# Altium PCB Giro_scope_2.0.PcbDoc (part 2 of 3)
Units mm, origin at the board's own origin, x right, y up, seen from the top; angles counter-clockwise.
Board outline 210.95 x 111.04 mm, 2 copper layers (Top Layer, Bottom Layer); 287 components, 128 nets, 1216 pads, 138 vias.
Unrouted connection lines stored in the file: 33.
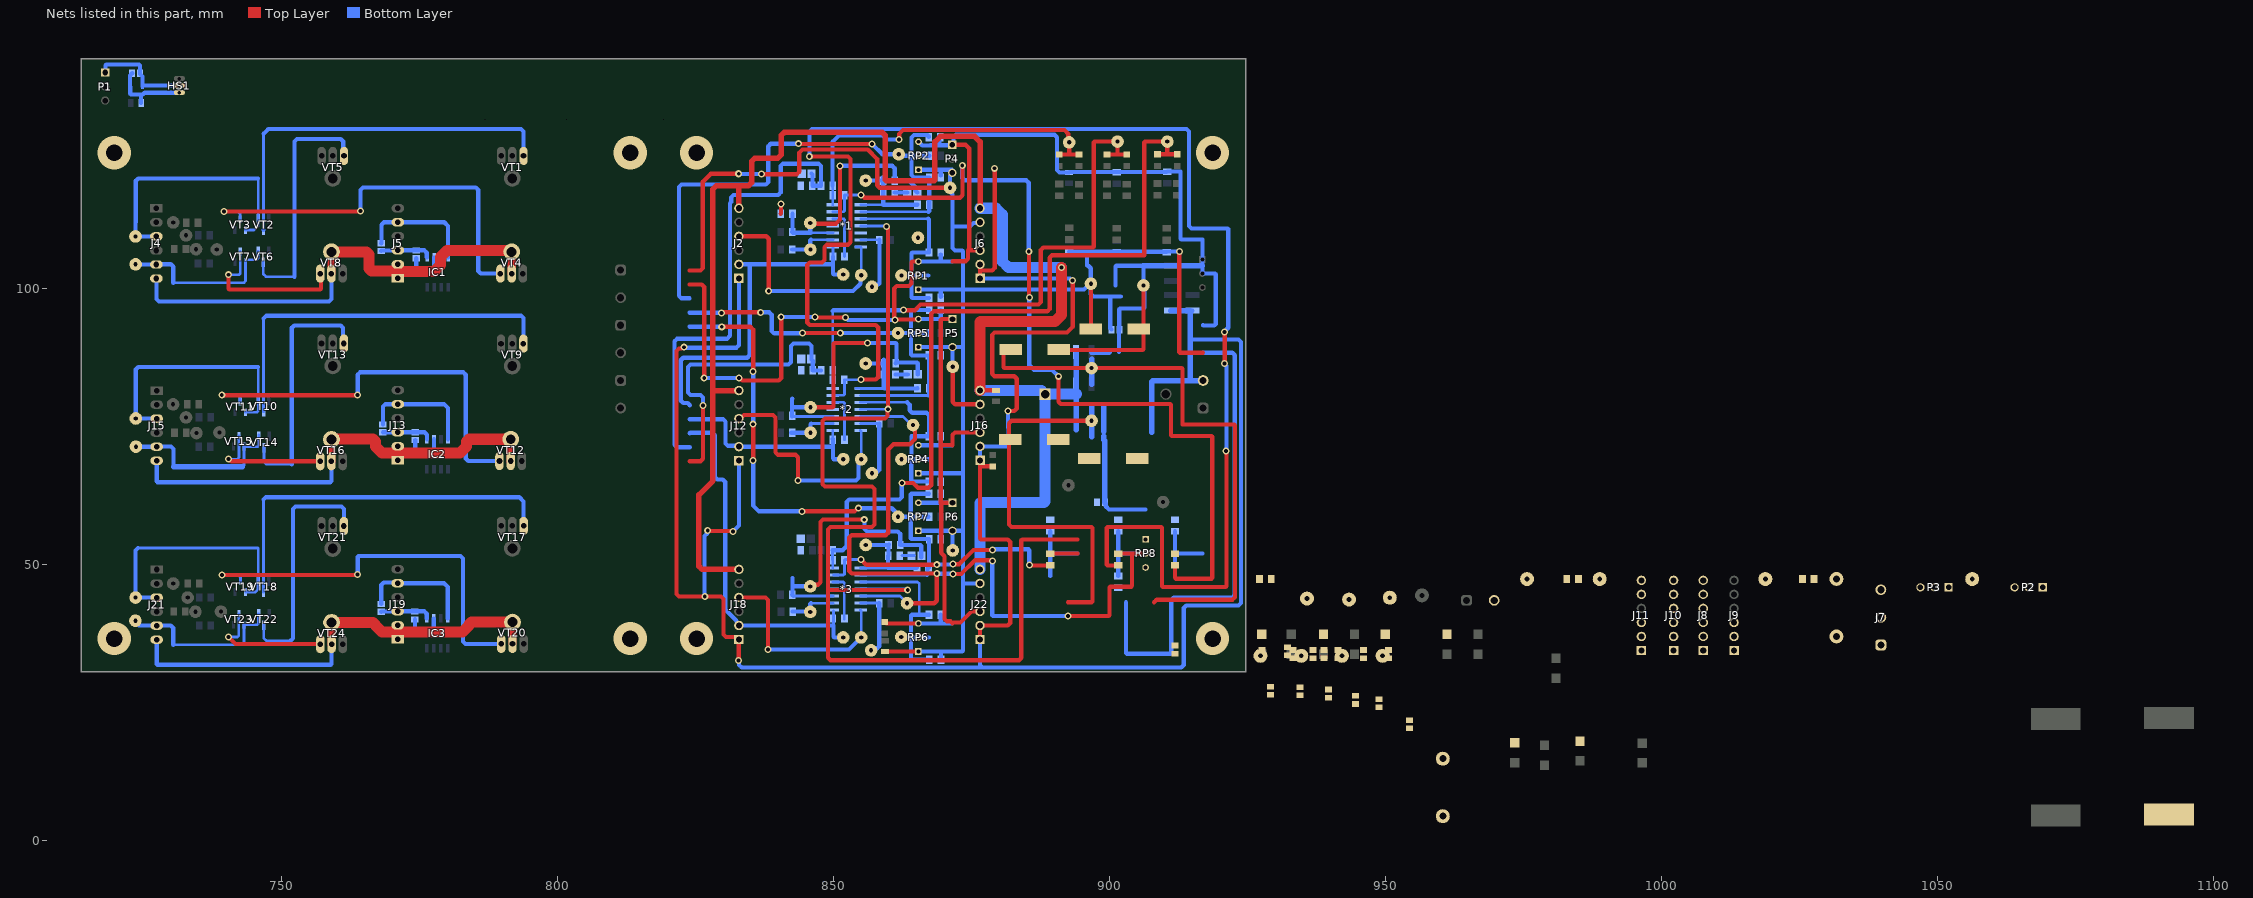
[diagram p2: the nets of this part, all layers, seen from the top]

## Via types
v1: diameter 1.27, hole 0.711, Top Layer to Bottom Layer, tented both sides, 106 vias
v2: diameter 1.5, hole 1.5, Top Layer to Bottom Layer, 20 vias
v3: diameter 6, hole 3, Top Layer to Bottom Layer, 8 vias
v4: diameter 1.27, hole 0.711, Top Layer to Bottom Layer, 4 vias

## Nets (pads, with @x,y where several pads share a name; then routed paths per layer and width w, separated by ;. In a path a pad name is that pad's centre, name@x,y a point inside that pad or via, vN(x,y) a via of type N, cw(c..) or ccw(c..) an arc to the next point about the centre after c; other vN are vias at no path point)
+5: C3.2 C6.1 J6.5 J7.1 J10.4 J10.6 J16.5 J22.5 L1.1 P4.3 P5.3 P6.3 R4.2 R13.2 R16.1 R17.1 R18.1 R20.2 R30.2 R37.2 R54.2 R66.2 RP1.1 RP2.1 RP4.1 RP5.1 RP6.1 RP7.1 TP1.1 TP12.1 TP13.1 TP19.1 TP37.1 Z1.1 Z2.1 | length 540.6
  Top Layer w0.762: 823.951,103.226 825.892,103.226 826.338,103.672 826.338,119.304 827.786,120.752 v4(832.841,120.752) ; v4(836.93,120.675) 843.367,120.675 843.813,121.122 843.813,124.569 844.365,125.12 856.216,125.12 857.91,123.426 857.91,118.658 858.357,118.212 TP37.1@871.118,118.212 ; R20.2@859.307,34.229 859.312,34.234 865.373,34.234 RP6.1@865.378,34.239 ; TP19.1@871.578,85.824 TP19.1@871.601,85.801 871.601,79.44 872.047,78.994 J16.5@876.554,78.994 ; C6.1@880.808,88.849 880.808,85.696 880.957,85.547 TP12.1@896.747,85.547 913.057,85.547 913.206,85.398 913.206,75.362 922.557,75.362 922.706,75.213 922.706,44.058 922.259,43.612 908.558,43.612 908.075,43.129 ; 896.62,92.659 TP13.1@896.62,100.838 ; v1(912.647,106.655) 912.622,106.629 912.622,88.49 912.771,88.341 916.94,88.341
  Bottom Layer w0.762: v4(832.841,120.752) 832.879,120.713 836.892,120.713 v4(836.93,120.675) ; RP6.1@865.251,34.239 RP6.1@865.378,34.239 869.477,34.239 ; RP7.1@865.251,56.083 RP7.1@865.378,56.083 869.426,56.083 ; RP5.1@865.378,89.357 P5.3@871.555,89.357 ; RP1.1@865.378,99.771 869.426,99.771 ; RP4.1@865.383,66.497 871.55,66.497 873.481,66.497 ; RP2.1@865.403,121.463 871.479,121.463 P4.3@871.58,121.361 ; R37.2@869.401,87.859 869.401,89.32 ; R4.2@869.417,98.476 R4.2@869.509,98.568 ; R66.2@869.426,54.585 869.426,56.083 ; R30.2@869.426,65.237 869.426,66.472 ; R4.2@869.426,98.536 869.426,99.771 ; R13.2@869.442,120.456 869.442,121.183 869.696,121.437 ; R54.2@869.477,32.75 869.477,34.239 ; P4.3@871.525,120.929 871.525,120.73 871.118,120.323 TP37.1@871.118,118.212 871.41,117.92 871.41,117.148 871.555,117.003 871.555,111.201 ; TP19.1@871.555,85.81 P5.3@871.555,89.357 ; TP1.1@871.601,52.527 871.555,52.573 P6.3@871.555,56.083 ; J22.5@876.529,46.558 873.658,46.558 873.481,46.38 ; J6.5@876.554,111.963 876.402,111.811 875.335,111.811 874.725,111.201 871.555,111.201 ; R16.1@892.683,106.629 910.266,106.629 R18.1@910.336,106.559 910.431,106.655 v1(912.647,106.655) ; 895.909,104.115 895.909,106.629 ; 896.148,104.089 896.595,103.643 TP13.1@896.595,100.863 ; TP13.1@896.595,100.178 896.595,98.964 897.041,98.517 900.115,98.517 ; TP13.1@896.62,100.838 896.453,100.838 895.386,99.771 873.481,99.771 ; C3.2@900.364,92.532 900.115,92.781 900.115,98.517 ; 902.015,98.517 900.115,98.517 ; 902.995,43.129 902.995,33.956 903.144,33.807 911.025,33.807 911.174,33.956 911.174,43.546 911.621,43.993 922.234,43.993 922.68,44.439 922.68,87.895 922.234,88.341 916.94,88.341 ; 869.426,56.083 P6.3@871.555,56.083 ; 869.426,99.771 871.555,99.771 873.481,99.771 ; 869.477,34.239 871.55,34.239 873.332,34.239 873.481,34.388 873.481,46.38 ; P6.3@871.555,56.083 873.481,56.083 ; P5.3@871.555,89.357 873.481,89.357 ; 871.555,111.201 871.555,107.304 872.001,106.858 873.332,106.858 873.481,106.709 873.481,99.771 ; 873.481,46.38 873.481,56.083 ; 873.481,56.083 873.481,66.497 ; 873.481,66.497 873.481,89.357 ; 873.481,89.357 873.481,99.771
  Bottom Layer w1: 896.75,82.626 896.75,87.198 ; 896.75,88.468 899.898,88.468
+12: *1.4 *2.4 *3.4 C11.1 C13.2 C15.1 CR1.1 J2.6 J6.6 J12.6 J16.6 J18.6 J22.6 P3.1 R5.2 R8.1 R9.1 R79.2 RP8.1 TP57.1 | length 587.9
  Top Layer w0.762: 859.409,119.656 859.558,119.507 ; v1(859.612,111.227) 859.612,111.089 859.866,110.835 v1(859.866,78.105) 859.803,78.042 859.803,76.875 859.356,76.429 848.476,76.429 848.03,75.982 848.03,64.531 848.476,64.084 856.981,64.084 857.428,63.638 857.428,57.241 856.981,56.794 849.441,56.794 848.995,56.348 848.995,45.39 ; v1(863.448,45.364) 863.422,45.39 848.995,45.39 ; 868.226,119.507 868.375,119.656 ; J16.6@876.554,81.534 876.562,81.526 879.442,81.526 R5.2@879.45,81.518 ; 876.643,93.968 876.643,94.009 876.728,94.095 ; 892.48,43.129 896.751,43.129 896.899,43.278 896.899,56.62 896.751,56.769 882.233,56.769 881.786,57.215 881.786,72.365 C15.1@882.015,72.593 881.786,72.822 881.786,75.576 882.233,76.022 TP57.1@896.747,76.022 ; 894.207,54.524 884.17,54.524 884.022,54.376 884.022,33.085 883.575,32.639 849.441,32.639 848.995,33.085 848.995,45.39
  Top Layer w1: J18.6@832.866,49.098 826.213,49.098 825.627,49.684 825.627,62.611 828.142,65.126 828.142,81.483 ; J12.6@832.866,81.483 828.142,81.483 ; J2.6@832.866,114.503 832.866,118.542 ; 859.409,119.656 859.409,127.684 858.823,128.27 841.097,128.27 840.511,127.684 840.511,124.157 839.926,123.571 835.763,123.571 835.177,122.985 835.177,119.128 834.592,118.542 832.866,118.542 ; 859.558,119.507 868.226,119.507 ; 868.375,119.656 868.375,126.541 869.347,127.513 875.582,127.513 876.554,126.541 J6.6@876.554,114.503 ; 828.142,81.483 828.142,117.956 828.727,118.542 832.866,118.542
  Top Layer w2: J16.6@876.554,81.534 876.554,93.942 ; 876.643,93.968 890.114,93.968 891.286,95.139 v1(891.286,103.759)
  Bottom Layer w0.5: *2.4@854.912,78.08 855.92,78.115 855.945,78.115 856.555,78.122 v1@859.866,78.159 ; *3.4@854.913,45.542 863.061,45.542 863.239,45.364 v1(863.448,45.364) ; *1.4@854.925,111.303 v1@859.612,111.303
  Bottom Layer w0.762: R8.1@893.95,82.626 R8.1@893.985,82.591
  Bottom Layer w1: 876.529,61.091 876.677,61.239 ; 888.165,61.239 888.314,61.388 ; R8.1@893.95,82.626 R9.1@893.95,88.468 ; 893.985,74.382 893.985,78.943 893.985,80.848 R8.1@893.985,82.591 ; 896.747,73.101 TP57.1@896.747,76.022 ; TP57.1@896.785,76.022 896.785,78.943
  Bottom Layer w2: J22.6@876.529,49.098 876.529,61.091 ; J16.6@876.554,81.534 887.628,81.534 CR1.1@888.314,80.848 ; J6.6@876.554,114.503 879.396,114.503 880.567,113.332 880.567,104.905 881.739,103.734 891.261,103.734 v1(891.286,103.759) ; 876.677,61.239 888.165,61.239 ; 888.314,61.388 CR1.1@888.314,80.848 ; 893.985,80.848 CR1.1@888.314,80.848
-5: C3.1 C6.2 D3.2 J6.3 J7.3 J16.3 J22.3 P4.1 P5.1 P6.1 R6.1 R15.2 R22.2 R23.2 R24.2 R32.1 R39.2 R57.1 R69.2 RP1.3 RP2.3 RP4.3 RP5.3 RP6.3 RP7.3 TP20.1 Z1.2 Z2.2 | length 395.1
  Top Layer w0.762: 823.951,100.686 826.146,100.686 826.592,100.239 v1(826.592,83.769) ; v1(832.904,83.731) 833.042,83.731 833.461,83.312 840.09,83.312 840.537,83.758 v1(840.537,94.818) ; v1(846.684,94.793) 846.76,94.717 v4(852.195,94.717) ; D3.2@859.307,39.573 859.357,39.573 859.611,39.319 RP6.3@865.378,39.319 ; RP5.3@865.378,94.437 865.302,94.361 861.212,94.361 v4(861.136,94.285) 861.039,94.382 861.039,94.741 860.999,94.781 860.999,99.985 861.445,100.432 863.662,100.432 864.108,100.878 864.108,104.702 864.257,104.851 RP1.3@865.378,104.851 ; P4.1@871.525,126.009 871.542,125.992 873.915,125.992 874.598,125.309 874.598,106.883 ; P6.1@871.555,61.163 869.518,61.163 ; P5.1@871.555,94.437 869.565,94.437 869.417,94.288 869.417,71.479 ; 871.555,104.851 871.606,104.902 873.898,104.902 874.344,105.348 874.344,106.883 J6.3@876.554,106.883 ; J22.3@876.529,41.478 875.005,41.478 872.994,39.468 871.699,39.468 871.55,39.319 871.181,39.688 870.574,39.688 870.128,40.135 870.128,51.486 869.518,52.096 869.518,61.163 ; J16.3@876.554,73.914 871.997,73.914 871.55,73.468 871.55,71.577 871.499,71.628 869.565,71.628 869.417,71.479 ; C6.2@889.508,88.849 905.996,88.849 906.145,88.998 906.145,92.659 ; 905.32,92.659 906.145,92.659 ; TP20.1@906.145,100.533 906.145,92.659 ; 869.417,71.479 869.417,61.062 869.518,61.163
  Bottom Layer w0.762: v1(826.592,83.769) 832.866,83.769 v1(832.904,83.731) v1@832.942,83.693 ; v1(840.537,94.818) 840.549,94.805 846.671,94.805 v1(846.684,94.793) ; v4(852.195,94.717) 852.627,94.285 v4(861.136,94.285) ; RP6.3@865.251,39.319 RP6.3@865.378,39.319 869.426,39.319 ; RP7.3@865.251,61.163 RP7.3@865.378,61.163 869.426,61.163 ; RP4.3@865.251,71.577 RP4.3@865.383,71.577 869.401,71.577 ; RP5.3@865.251,94.437 RP5.3@865.378,94.437 869.426,94.437 ; RP1.3@865.378,104.851 869.391,104.851 ; RP2.3@865.403,126.543 865.408,126.543 866.069,125.882 867.562,125.882 ; 867.562,125.9 869.153,125.9 ; R15.2@869.153,127.591 869.153,125.9 ; R69.2@869.401,62.789 869.426,62.763 869.426,61.163 ; R32.1@869.401,73.228 869.401,71.577 ; R57.1@869.426,40.885 869.426,39.319 ; R39.2@869.426,96.063 869.426,94.437 ; R6.1@869.426,106.121 869.426,104.886 869.391,104.851 ; P4.1@871.211,126.072 870.937,126.072 870.765,125.9 869.153,125.9 ; 871.474,39.319 869.426,39.319 ; P6.1@871.474,61.163 869.426,61.163 ; 871.474,71.577 869.401,71.577 ; P4.1@871.525,126.009 871.76,126.245 871.76,127.366 872.207,127.813 890.027,127.813 890.473,127.366 890.473,121.42 890.92,120.974 R22.2@892.683,120.974 ; P5.1@871.555,94.437 869.426,94.437 ; 871.555,104.851 869.391,104.851 ; R22.2@892.683,121.05 R23.2@901.319,121.05 910.371,121.05 R24.2@910.463,121.142 912.841,121.142 912.841,109.013 912.99,108.864 916.813,108.864 916.813,104.089 916.813,102.692 ; 901.065,100.517 901.065,103.94 901.214,104.089 906.145,104.089 TP20.1@906.145,100.533 906.272,100.406 906.272,96.491 906.123,96.342 901.915,96.342 901.766,96.193 C3.1@901.766,92.532 901.7,92.466 901.7,88.468 ; 916.808,102.692 916.813,102.692 ; 916.94,93.341 916.987,93.294 918.972,93.294 919.226,93.548 919.226,102.543 919.077,102.692 916.813,102.692
  Bottom Layer w1: 906.145,104.089 916.813,104.089
-12: *1.11 *2.11 *3.11 C13.1 C15.2 C16.2 C17.1 C18.1 C19.1 D2.2 J1.2 J2.1 J6.1 J6.2 J12.1 J16.1 J16.2 J18.1 J22.1 J22.2 P3.3 R26.2 R33.2 R34.2 R53.2 R83.2 R86.2 R87.2 R88.2 R89.2 RP8.3 | length 492.3
  Top Layer w0.762: v1(822.909,89.332) 822.772,89.332 822.518,89.078 822.009,89.078 821.563,88.631 821.563,44.642 822.009,44.196 v1(826.694,44.196) 829.626,44.196 830.072,43.75 830.072,37.291 830.518,36.845 832.42,36.845 J18.1@832.866,36.398 832.841,36.373 832.841,32.639 v1(832.815,32.614) ; v1(827.227,56.109) 827.291,56.045 831.761,56.045 v1(831.825,55.982) ; J22.1@876.529,36.398 J22.2@876.529,38.938 881.569,38.938 882.015,39.385 882.015,54.062 881.569,54.508 876.703,54.508 876.554,54.657 876.554,67.762 ; J16.1@876.554,68.834 876.554,67.762 ; J6.1@876.554,101.803 876.554,103.073 ; J6.2@876.554,104.343 876.554,103.073 ; D2.2@878.84,67.733 878.65,67.733 878.621,67.762 876.554,67.762 ; v1(879.17,121.742) 879.196,121.717 879.196,103.697 878.749,103.251 876.732,103.251 876.554,103.073 ; v1(881.634,77.8) 882.737,77.8 883.183,78.247 883.183,83.628 882.737,84.074 879.185,84.074 878.738,84.52 878.738,91.565 879.185,92.012 892.3,92.012 893.318,93.029 v1(893.318,101.448)
  Bottom Layer w0.762: v1(822.909,89.332) 822.985,89.256 832.42,89.256 832.866,89.702 J2.1@832.866,101.803 ; v1(826.694,44.196) 826.618,44.272 826.618,55.132 827.13,55.644 827.13,56.011 v1(827.227,56.109) ; v1(831.825,55.982) 832.866,57.023 J12.1@832.866,68.783 ; v1(832.815,32.614) 832.912,32.516 832.912,31.809 833.403,31.318 876.975,31.318 ; J22.2@876.529,38.938 J22.1@876.529,36.398 876.529,31.765 876.975,31.318 ; J16.1@876.554,68.834 J16.2@876.554,71.374 881.289,71.374 881.736,71.82 881.736,74.691 881.634,74.792 v1(881.634,77.8) ; J6.2@876.554,104.343 J6.1@876.554,101.803 876.567,101.79 892.838,101.79 893.181,101.448 v1(893.318,101.448) ; C13.1@899.15,61.214 899.321,61.043 899.321,60.543 899.92,59.944 906.501,59.944 ; 907.644,83.112 907.792,83.261 ; 914.654,83.41 914.803,83.261 ; 914.654,90.707 923.377,90.707 923.823,90.261 923.823,42.991 923.377,42.545 913.881,42.545 913.435,42.099 913.435,31.765 912.988,31.318 876.975,31.318 ; R33.2@914.654,95.577 R33.2@915.035,95.958 R33.2@914.654,95.958 ; J1.2@916.893,83.261 J1.2@916.94,83.308
  Bottom Layer w1: 898.951,74.071 898.951,78.613 ; 898.981,73.177 898.981,72.552 899.15,72.384 C13.1@899.15,61.214 ; 907.644,73.907 907.644,78.969 907.644,83.112 ; 907.792,83.261 914.803,83.261 J1.2@916.893,83.261 ; R34.2@911.098,95.958 R33.2@914.654,95.958 ; 914.654,83.41 914.654,90.707 R33.2@914.654,95.577
  other v3: 719.744,36.556 813.206,36.556 825.204,36.556 918.662,36.556 719.734,124.562 813.206,124.556 825.204,124.556 918.662,124.556
GND_1: D11.2 D13.2 D15.2 D17.2 D19.2 D21.2 J4.6 J5.1 J5.2 J13.1 J13.2 J15.6 J17.2 J19.1 J19.2 J21.6 VT4.2 VT8.2 VT12.2 VT16.2 VT20.2 VT24.2 | length 256.1
  Top Layer w0.762: VT16.2@759.079,72.619 VT16.2@759.206,72.746 ; J19.1@771.068,36.424 771.068,37.77 J19.2@771.068,38.964 ; 771.068,103.124 771.119,103.073 ; J13.1@771.093,68.859 771.093,70.18 J13.2@771.093,71.399
  Top Layer w1.5: VT16.2@759.079,68.682 VT16.2@759.079,72.619 ; VT8.2@759.079,102.667 VT8.2@759.079,106.604 ; VT24.2@759.104,35.56 VT24.2@759.104,39.497 ; VT12.2@791.54,68.732 VT12.2@791.54,72.669 ; VT4.2@791.718,102.667 VT4.2@791.718,106.604 ; VT20.2@791.87,35.611 VT20.2@791.87,39.548
  Top Layer w2: VT8.2@759.079,106.604 765.465,106.604 765.912,106.157 765.912,103.57 766.358,103.124 771.068,103.124 ; VT24.2@759.104,39.497 766.583,39.497 767.029,39.051 767.029,38.941 768.201,37.77 771.068,37.77 782.799,37.77 783.971,38.941 783.971,39.101 784.417,39.548 VT20.2@791.87,39.548 ; VT16.2@759.206,72.746 766.583,72.746 767.029,72.299 767.029,71.352 768.201,70.18 771.093,70.18 782.393,70.18 783.565,71.352 783.565,72.223 784.011,72.669 VT12.2@791.54,72.669 ; 771.119,103.073 777.643,103.073 778.815,104.245 778.815,105.686 779.986,106.858 790.723,106.858 790.776,106.804 791.517,106.804 VT4.2@791.718,106.604
  Bottom Layer w0.762: J4.6@727.38,101.778 727.38,98.084 727.826,97.638 758.633,97.638 759.079,98.084 VT8.2@759.079,102.667 ; J21.6@727.431,36.373 727.431,31.975 727.579,31.826 758.956,31.826 759.104,31.975 VT24.2@759.104,35.56 ; J15.6@727.431,68.783 727.431,65.046 727.579,64.897 758.85,64.897 759.079,65.126 VT16.2@759.079,68.682
Net*1_1: *1.1 *15.2 R2.2 TP8.1 | length 18.5
  Bottom Layer w0.5: *1.1@854.925,115.138 859.003,115.138
  Bottom Layer w0.762: TP8.1@855.828,119.507 858.956,119.507 858.977,119.486 ; 858.997,117.373 858.997,115.143 859.003,115.138 865.191,115.138 R2.2@865.216,115.164 ; 859.015,117.373 859.015,120.149
Net*1_2: *1.2 J9.3 R2.1 R12.2 R13.1 R15.1 RP2.2 TP11.1 | length 107.4
  Top Layer w0.762: v1(843.636,126.187) 843.686,126.136 v1(856.996,126.136)
  Bottom Layer w0.5: *1.2@854.925,113.868 867.191,113.868
  Bottom Layer w0.762: 823.951,98.146 823.9,98.196 822.492,98.196 822.046,98.643 822.046,118.375 822.492,118.821 837.754,118.821 838.2,119.268 838.2,125.741 838.646,126.187 v1(843.636,126.187) ; v1(856.996,126.136) 858.85,124.282 TP11.1@861.822,124.282 862.101,124.003 864.108,124.003 ; 867.191,113.868 867.34,114.017 R13.1@867.34,120.066 ; R15.1@867.248,127.381 867.248,127.532 867.026,127.754 866.587,127.754 866.564,127.778 864.57,127.778 864.108,127.316 864.108,124.003 ; R13.1@867.324,120.066 864.554,120.066 864.108,120.512 864.108,124.003 ; R12.2@867.35,124.028 867.324,124.003 RP2.2@865.403,124.003 864.108,124.003
Net*1_3: *1.3 J8.6 R4.1 R6.2 RP1.2 TP9.1 | length 38.1
  Bottom Layer w0.5: *1.3@854.925,112.598 867.16,112.598
  Bottom Layer w0.762: TP9.1@861.885,102.311 863.524,102.311 864.108,102.311 ; 867.156,102.311 RP1.2@865.378,102.311 864.108,102.311 ; 867.16,112.598 867.308,112.449 R6.2@867.308,106.477 864.257,106.477 864.108,106.328 864.108,102.311 ; R4.1@867.315,98.273 864.257,98.273 864.108,98.421 864.108,102.311
Net*1_5: *1.5 *2.5 *3.5 C11.2 C16.1 J7.2 J10.5 P3.2 R79.1 R83.1 RP8.2 TP10.1 TP31.1 TP54.1 TP62.1 | length 158.3
  Top Layer w0.762: TP54.1@863.321,42.977 868.259,42.977 868.705,43.423 v1(868.705,48.362) 853.302,48.362 852.856,48.808 852.856,54.849 853.302,55.296 859.471,55.296 859.917,55.742 859.917,70.844 860.846,71.773 863.832,71.773 864.743,72.684 TP31.1@864.743,75.057 ; v1(871.652,48.26) 873.125,48.26 875.614,50.749 878.662,50.749 v1(878.764,50.648) ; v1(892.454,40.64) 899.824,40.64 899.973,40.789 899.973,45.819 900.122,45.968 903.929,45.968 904.078,46.117 904.078,51.984 ; 901.573,51.927 901.63,51.984 904.078,51.984 ; RP8.2@906.526,51.984 904.078,51.984
  Bottom Layer w0.5: *2.5@854.912,76.81 862.559,76.81 864.133,75.235 TP31.1@864.413,75.235 ; *3.5@854.913,44.272 854.923,44.282 862.016,44.282 TP54.1@863.723,42.574
  Bottom Layer w0.762: v1(868.705,48.362) 868.756,48.311 871.601,48.311 v1(871.652,48.26) ; v1(878.764,50.648) 878.764,40.789 878.913,40.64 v1(892.454,40.64) ; R83.1@901.573,47.898 901.573,51.857 ; R79.1@901.573,56.013 901.573,51.857 ; RP8.2@906.526,51.984 901.7,51.984 901.573,51.857
Net*1_6: *1.6 J11.3 R3.2 R47.2 TP4.1 | length 12.9
  Bottom Layer w0.5: *1.6@854.925,108.798 R3.2@858.317,108.798
  Bottom Layer w0.762: TP4.1@856.971,100.279 857.359,100.668 858.107,100.668 858.317,100.878 R3.2@858.317,108.798
Net*1_7: *1.7 J2.4 TP5.1 | length 39.9
  Top Layer w0.762: J2.4@832.866,109.423 837.83,109.423 838.276,108.977 v1(838.276,99.492)
  Bottom Layer w0.5: *1.7@854.075,107.518 *1.7@854.925,107.518 ; *1.7@854.866,107.518 855.015,107.369 TP5.1@855.015,102.387
  Bottom Layer w0.762: v1(838.276,99.492) 853.542,99.492 854.872,100.822 854.872,102.244 TP5.1@855.015,102.387
Net*1_8: *1.8 J2.2 J8.3 P2.1 R27.1 R46.2 TP15.1 | length 62.4
  Bottom Layer w0.5: R46.2@849.898,105.768 *1.8@849.898,107.518
  Bottom Layer w0.762: 823.976,78.842 823.607,79.211 822.797,79.211 822.35,79.657 822.35,86.98 822.797,87.427 834.375,87.427 834.822,87.873 834.822,104.343 ; J2.2@832.866,104.343 834.822,104.343 ; R46.2@849.898,105.768 R46.2@849.9,105.766 849.9,104.343 ; TP15.1@851.764,102.514 850.049,102.514 849.9,102.663 849.9,104.343 ; 834.822,104.343 849.9,104.343
Net*1_9: *1.9 R26.1 R27.2 R31.2 TP22.1 | length 12.7
  Top Layer w0.762: 840.467,113.513 840.486,113.532 v1(840.486,115.24)
  Bottom Layer w0.5: 845.943,108.788 *1.9@849.898,108.788
  Bottom Layer w0.762: R26.1@840.467,113.513 840.486,113.532 v1(840.486,115.24) ; R31.2@842.534,107.036 842.559,107.01 TP22.1@845.795,107.01 ; TP22.1@845.795,106.859 TP22.1@845.795,106.883 ; TP22.1@845.82,106.883 TP22.1@845.795,106.883 ; TP22.1@845.82,107.01 TP22.1@845.795,107.01 ; 845.943,108.788 845.795,108.639 TP22.1@845.795,107.01 ; TP22.1@845.795,106.883 TP22.1@845.795,107.01
Net*1_10: *1.10 C2.2 J10.3 R14.2 R21.1 TP14.1 | length 45.5
  Top Layer w0.762: TP14.1@845.795,111.709 850.472,111.709 851.179,112.417 v1(851.179,122.181)
  Bottom Layer w0.5: 845.871,110.058 *1.10@849.898,110.058
  Bottom Layer w0.762: R14.2@842.534,110.211 842.686,110.058 845.871,110.058 845.795,110.134 TP14.1@845.795,111.836 ; R14.2@842.569,110.557 842.569,113.513 ; v1(851.179,122.181) 860.637,122.181 861.083,121.735 861.083,119.331 861.154,119.331 861.305,119.482 863.693,119.482 864.803,118.372 864.803,117.745 C2.2@865.175,117.373
Net*1_12: *1.12 R46.1 | length 8.8
  Bottom Layer w0.5: *1.12@849.898,112.598 851.853,112.598 852.002,112.449 R46.1@852.002,105.766
Net*1_13: *1.13 R42.1 R47.1 | length 159
  Top Layer w0.762: v1(854.989,116.891) 855.127,116.891 855.609,116.408 872.933,116.408 873.379,116.855 873.379,122.199 v1(873.328,122.25) ; v1(885.368,106.68) 885.419,106.629 885.419,98.374 v1(885.469,98.323) ; v1(890.727,84.074) 890.727,79.477 891.159,79.045 910.975,79.045 911.123,78.896 911.123,73.428 911.272,73.279 918.468,73.279 918.616,73.13 918.616,47.571 918.468,47.422 912.009,47.422 911.86,47.571 R47.1@911.86,49.825
  Bottom Layer w0.5: *1.13@849.898,113.868 851.827,113.868 851.976,114.017 R42.1@851.976,116.84 852.027,116.891 v1(854.989,116.891)
  Bottom Layer w0.762: v1(873.328,122.25) 873.328,120.004 873.775,119.558 884.921,119.558 885.368,119.111 v1(885.368,106.68) ; v1(885.469,98.323) 885.469,86.095 886.322,85.242 889.559,85.242 v1(890.727,84.074)
Net*1_14: *1.14 D4.1 D5.2 R42.2 R82.2 TP39.1 | length 63.8
  Top Layer w0.762: v1(861.898,126.975) 861.898,127.976 862.571,128.648 891.837,128.648 892.509,127.976 892.509,126.615 TP39.1@892.683,126.441 892.683,124.223 ; D5.2@890.905,124.223 892.683,124.223 ; D4.1@894.461,124.223 892.683,124.223
  Bottom Layer w0.5: *1.14@849.875,115.071 R42.2@849.875,116.84 R82.2@849.875,118.567
  Bottom Layer w0.762: R82.2@849.843,118.567 849.843,126.528 850.975,127.66 858.899,127.66 859.585,126.975 v1(861.898,126.975)
Net*2_1: *2.1 *16.2 R28.2 TP23.1 | length 19.8
  Bottom Layer w0.5: *2.1@854.056,81.89 *2.1@854.912,81.89 ; *2.1@854.912,81.874 859.206,81.874
  Bottom Layer w0.762: TP23.1@855.828,86.385 859.12,86.385 ; 859.12,87.071 859.12,86.385 ; 859.171,86.436 859.12,86.385 ; R28.2@865.216,81.915 865.175,81.874 859.206,81.874 859.12,81.959 859.12,84.404 859.12,86.385
Net*2_2: *2.2 J9.2 R28.1 R36.2 R37.1 R39.1 RP5.2 TP30.1 | length 80.8
  Top Layer w0.762: v1(829.742,95.555) 829.839,95.652 830.332,95.652 830.336,95.656 v1(836.828,95.656) ; v1(844.398,91.948) 844.423,91.923 851.205,91.923 v1(851.23,91.897)
  Bottom Layer w0.5: *2.2@854.912,80.594 867.166,80.594
  Bottom Layer w0.762: 823.951,95.606 823.976,95.58 829.716,95.58 v1(829.742,95.555) ; v1(836.828,95.656) 838.363,95.656 838.81,95.21 838.81,92.297 839.256,91.851 844.3,91.851 v1(844.398,91.948) ; v1(851.23,91.897) TP30.1@861.695,91.897 864.057,91.897 ; 864.083,91.897 RP5.2@865.378,91.897 R36.2@867.248,91.897 ; 867.166,80.594 867.315,80.743 R37.1@867.315,87.859 864.206,87.859 864.057,88.007 864.057,95.914 864.206,96.063 R39.1@867.324,96.063
Net*2_3: *2.3 J8.5 R30.1 R32.2 RP4.2 TP24.1 | length 37.9
  Bottom Layer w0.5: *2.3@854.912,79.35 863.371,79.35
  Bottom Layer w0.762: TP24.1@861.568,69.012 863.956,69.012 864.083,69.139 864.108,69.113 ; 863.371,79.35 863.803,78.918 863.803,77.916 864.25,77.47 866.853,77.47 867.299,77.024 R32.2@867.299,73.228 864.231,73.228 ; 864.083,69.012 864.083,65.147 864.231,64.999 R30.1@867.315,64.999 ; 864.108,73.228 864.108,69.113 ; 867.248,69.037 RP4.2@865.383,69.037 864.108,69.037 864.108,69.113
Net*2_6: *2.6 J11.2 R35.2 R60.2 TP26.1 | length 13.3
  Bottom Layer w0.5: *2.6@854.912,75.524 R35.2@858.257,75.524
  Bottom Layer w0.762: TP26.1@856.971,66.497 857.359,66.886 858.056,66.886 858.291,67.121 858.291,75.521 R35.2@858.272,75.54
Net*2_7: *2.7 J12.4 TP27.1 | length 42.1
  Top Layer w0.762: J12.4@832.866,76.403 833.12,76.403 833.78,77.064 839.049,77.064 839.495,76.617 839.495,70.296 839.942,69.85 843.113,69.85 843.559,69.404 v1(843.559,65.202)
  Bottom Layer w0.5: *2.7@854.866,74.254 855.015,74.105 TP27.1@855.015,69.037
  Bottom Layer w0.762: v1(843.559,65.202) 854.06,65.202 854.507,65.648 854.507,68.117 855.015,68.625 TP27.1@855.015,69.037
Net*2_8: *2.8 J8.2 J12.2 P2.2 R56.1 R59.2 TP35.1 | length 37.3
  Bottom Layer w0.5: R59.2@849.885,72.732 *2.8@849.885,74.27
  Bottom Layer w0.762: 823.976,76.302 829.981,76.302 830.428,75.855 830.428,71.92 830.874,71.474 832.715,71.474 J12.2@832.866,71.323 841.712,71.323 849.89,71.323 ; R59.2@849.818,72.666 R59.2@849.885,72.732 ; R59.2@849.89,72.593 849.89,71.323 ; TP35.1@851.789,69.063 850.039,69.063 849.89,69.211 849.89,71.323
Net*2_9: *2.9 R53.1 R56.2 R63.2 TP45.1 | length 21.3
  Bottom Layer w0.5: 845.994,75.524 *2.9@849.961,75.524
  Bottom Layer w0.762: R63.2@842.35,73.863 TP45.1@844.855,73.863 ; TP45.1@845.845,73.863 845.845,75.375 845.994,75.524 ; 889.254,47.898 889.254,51.956 ; R53.1@889.254,56.013 889.254,51.956 ; 894.207,51.984 889.283,51.984 889.254,51.956
Net*2_10: *2.10 C7.2 J10.2 R43.2 R50.1 TP34.1 | length 49.9
  Top Layer w0.762: TP34.1@845.845,78.461 849.862,78.461 850.011,78.609 850.011,89.97 850.16,90.119 v1(856.158,90.119)
  Bottom Layer w0.5: R43.2@842.467,76.794 *2.10@849.961,76.794
  Bottom Layer w0.762: R43.2@842.467,76.794 842.467,78.453 ; 842.553,79.985 842.467,79.899 842.467,78.453 ; TP34.1@844.982,78.435 844.964,78.453 842.467,78.453 ; v1(856.158,90.119) 861.267,90.119 861.416,89.97 R50.1@861.416,86.579 ; R50.1@861.273,86.436 R50.1@861.416,86.579 ; C7.2@865.263,84.404 865.263,86.43 865.114,86.579 R50.1@861.416,86.579
Net*2_12: *2.12 R59.1 | length 8.8
  Bottom Layer w0.5: *2.12@849.885,79.35 851.869,79.35 852.018,79.201 R59.1@852.018,72.593
Net*2_13: *2.13 R55.1 R60.1 | length 281.9
  Top Layer w0.762: v1(845.617,123.85) 852.638,123.85 853.084,123.404 853.084,108.346 852.638,107.899 848.806,107.899 848.36,107.453 848.36,105.12 847.914,104.673 845.708,104.673 845.261,104.227 845.261,93.817 845.708,93.37 857.667,93.37 858.114,92.924 858.114,83.911 857.667,83.464 v1(854.989,83.464) ; R60.1@901.573,49.825 899.639,49.825 899.49,49.974 899.49,56.62 899.639,56.769 909.349,56.769 909.498,56.62 909.498,46.047 909.647,45.898 921.008,45.898 921.156,46.047 921.156,70.075 921.152,70.079 921.152,70.439 v1(921.055,70.536) ; v1(920.839,92.071) 920.845,92.065 920.845,86.392 v1(920.852,86.385)
  Bottom Layer w0.5: *2.13@849.885,80.62 851.777,80.62 851.976,80.819 R55.1@851.976,83.439 852.002,83.464 v1(854.989,83.464)
  Bottom Layer w0.762: v1(845.617,123.85) 845.642,123.876 845.642,128.382 846.089,128.829 913.928,128.829 914.375,128.382 914.375,111.292 914.821,110.846 921.385,110.846 921.487,110.744 921.487,92.856 920.839,92.209 v1(920.839,92.071) ; v1(920.852,86.385) 920.852,86.248 921.156,85.943 921.156,70.997 921.152,70.992 921.152,70.633 v1(921.055,70.536)
Net*2_14: *2.14 D6.1 D7.2 R55.2 R85.2 TP46.1 | length 100.9
  Top Layer w0.762: v1(862.686,96.037) 864.768,96.037 865.784,97.053 887.106,97.053 887.552,97.5 887.552,106.945 887.999,107.391 896.979,107.391 897.128,107.54 897.128,126.419 897.277,126.568 TP46.1@901.446,126.568 901.446,124.35 901.319,124.223 ; D7.2@899.541,124.223 901.319,124.223 ; D6.1@903.097,124.223 901.446,124.223 901.319,124.223
  Bottom Layer w0.5: 849.859,95.889 849.859,83.455 R55.2@849.875,83.439 849.885,83.429 *2.14@849.885,81.89
  Bottom Layer w0.762: 849.859,95.889 850.007,96.037 v1(862.686,96.037)
Net*3_1: *3.1 *17.2 R52.2 TP42.1 | length 18.6
  Bottom Layer w0.5: *3.1@854.913,49.352 859.866,49.352
  Bottom Layer w0.762: TP42.1@855.853,53.518 859.968,53.518 ; 859.898,51.562 859.898,49.384 859.866,49.352 865.038,49.352 R52.2@865.115,49.428 ; 859.933,51.562 859.968,51.597 859.968,53.518 ; 860.044,53.588 859.974,53.518 859.968,53.518
Net*3_2: *3.2 J9.1 R52.1 R65.2 R66.1 R69.1 RP7.2 TP48.1 | length 110.2
  Top Layer w0.762: v1(829.767,93.04) 834.934,93.04 835.457,92.518 v1(835.457,84.912) ; v1(835.457,68.809) v1(835.457,75.387) ; v1(844.296,59.614) 853.811,59.614 854.369,60.173 v1(854.507,60.173)
  Bottom Layer w0.5: *3.2@854.913,48.082 866.953,48.082
  Bottom Layer w0.762: 823.951,93.066 823.963,93.053 829.755,93.053 v1(829.767,93.04) ; v1(835.457,68.809) 835.457,60.67 836.513,59.614 v1(844.296,59.614) ; v1(835.457,75.387) v1(835.457,84.912) ; v1(854.507,60.173) 860.558,60.173 861.695,59.036 TP48.1@861.695,58.623 864.006,58.623 ; 866.953,48.082 867.033,48.162 867.033,49.245 R52.1@867.216,49.428 ; R65.2@867.213,58.623 RP7.2@865.378,58.623 864.006,58.623 ; R69.1@867.299,62.789 864.155,62.789 864.006,62.64 864.006,58.623 ; R52.1@867.324,49.428 R66.1@867.324,54.585 864.155,54.585 864.006,54.733 864.006,58.623
Net*3_3: *3.3 J8.4 R54.1 R57.2 RP6.2 TP44.1 | length 37.6
  Bottom Layer w0.5: *3.3@854.913,46.812 865.238,46.812 865.53,46.519 865.53,40.894 R57.2@867.315,40.894
  Bottom Layer w0.762: TP44.1@862.381,36.779 864.057,36.779 ; 867.248,36.779 RP6.2@865.378,36.779 864.057,36.779 ; R57.2@867.315,40.894 866.953,40.894 865.53,40.894 864.206,40.894 864.057,40.745 864.057,36.779 ; R54.1@867.366,32.741 864.206,32.741 864.057,32.889 864.057,36.779
Net*3_6: *3.6 J11.1 R64.2 R72.2 TP49.1 | length 17.9
  Top Layer w0.762: R72.2@889.254,51.927 889.311,51.984 894.207,51.984
  Bottom Layer w0.5: *3.6@854.913,43.002 R64.2@858.247,43.002
  Bottom Layer w0.762: TP49.1@856.818,34.442 857.207,34.831 857.944,34.831 858.272,35.16 R64.2@858.272,42.977 R64.2@858.247,43.002
Net*3_7: *3.7 J18.4 TP50.1 | length 37.2
  Top Layer w0.762: J18.4@832.866,44.018 837.677,44.018 838.124,43.572 v1(838.124,34.595)
  Bottom Layer w0.5: *3.7@854.866,41.732 855.015,41.583 TP50.1@855.015,36.779
  Bottom Layer w0.762: v1(838.124,34.595) 852.83,34.595 TP50.1@855.015,36.779
Net*3_8: *3.8 J8.1 J18.2 P2.3 R70.2 R90.1 TP59.1 | length 65.2
  Bottom Layer w0.5: 849.986,38.913 *3.8@849.986,41.56
  Bottom Layer w0.762: 823.976,73.762 824.047,73.833 828.076,73.833 828.523,73.386 828.523,65.801 828.969,65.354 829.956,65.354 830.402,64.908 830.402,41.842 832.439,39.805 832.439,39.619 832.866,39.192 J18.2@832.866,38.938 849.96,38.938 849.986,38.913 849.986,36.928 850.134,36.779 TP59.1@851.764,36.779
Net*3_9: *3.9 R86.1 R90.2 R91.2 TP65.1 | length 21.4
  Bottom Layer w0.5: 845.943,42.986 *3.9@849.961,42.986
  Bottom Layer w0.762: R91.2@842.604,41.453 844.982,41.453 TP65.1@845.201,41.672 ; TP65.1@845.795,41.402 845.795,42.838 845.943,42.986 ; 911.86,47.898 911.86,51.956 ; R86.1@911.86,56.013 911.86,51.956 ; 916.813,51.984 911.889,51.984 911.86,51.956
Net*3_10: *3.10 C10.2 J10.1 R77.2 R80.1 TP58.1 | length 50.9
  Top Layer w0.762: TP58.1@845.795,46.025 846.086,46.316 847.212,46.316 847.659,46.762 847.659,57.694 848.105,58.141 855.523,58.141 v1(855.574,58.09)
  Bottom Layer w0.5: R77.2@842.756,44.256 *3.10@849.961,44.256
  Bottom Layer w0.762: R77.2@842.512,44.501 R77.2@842.756,44.256 ; R77.2@842.603,44.536 842.603,46.042 ; 842.603,47.549 842.603,46.042 ; TP58.1@845.252,46.042 842.603,46.042 ; v1(855.574,58.09) 855.642,58.022 855.642,56.428 856.088,55.982 861.63,55.982 862.076,55.535 R80.1@862.076,53.518 ; R80.1@862.076,53.509 864.235,53.509 ; 864.244,53.509 865.736,53.509 865.885,53.36 C10.2@865.885,51.311
Net*3_12: *3.12 R70.1 | length 8.7
  Bottom Layer w0.5: *3.12@849.886,46.812 851.812,46.812 851.961,46.663 R70.1@851.961,40.132
Net*3_13: *3.13 R67.1 R72.1 | length 46.2
  Top Layer w0.762: v1(854.989,50.876) 855.925,49.941 v1(868.709,49.941) ; v1(871.652,50.038) 872.744,50.038 875.335,52.629 v1(878.815,52.629) ; v1(885.469,49.886) 885.53,49.825 R72.1@889.254,49.825
  Bottom Layer w0.5: *3.13@850.022,48.073 851.827,48.073 851.976,48.221 R67.1@851.976,50.749 852.103,50.876 v1(854.989,50.876)
  Bottom Layer w0.762: v1(868.709,49.941) 868.757,49.989 871.603,49.989 v1(871.652,50.038) ; v1(878.815,52.629) 878.916,52.73 885.321,52.73 885.469,52.582 v1(885.469,49.886)
Net*3_14: *3.14 D8.1 D9.2 R67.2 R84.2 TP55.1 | length 142.6
  Top Layer w0.762: v1(862.381,64.77) 864.436,64.77 865.325,63.881 867.243,63.881 867.689,64.327 867.689,95.388 868.136,95.834 888.706,95.834 889.152,96.281 889.152,105.548 889.599,105.994 906.272,105.994 906.272,126.419 906.421,126.568 TP55.1@910.463,126.568 ; D9.2@908.685,124.282 910.463,124.282 ; TP55.1@910.463,126.314 910.463,124.282 ; D8.1@912.241,124.282 910.463,124.282
  Bottom Layer w0.5: R84.2@849.846,52.555 849.846,50.777 R67.2@849.875,50.749 849.875,49.363 *3.14@849.886,49.352
  Bottom Layer w0.762: R84.2@849.846,52.555 851.665,52.555 852.399,53.289 852.399,61.301 852.845,61.747 861.934,61.747 862.381,62.194 v1(862.381,64.77)
Net*4_1: *4.1 *5.2 J4.3 TP3.1 VT2.1 VT3.1 | length 47.3
  Bottom Layer w0.5: VT3.1@743.483,110.566 745.044,110.566 745.833,111.355 745.833,119.863 745.783,119.913
  Bottom Layer w0.762: J4.3@727.38,109.398 723.769,109.398 723.621,109.547 723.621,111.989 723.646,112.014 723.646,119.467 724.092,119.913 745.783,119.913
Net*4_2: *4.2 TP2.1 VT1.3 VT2.3 | length 69.5
  Bottom Layer w0.5: VT2.3@746.799,110.555 746.799,127.979
  Bottom Layer w0.762: VT2.3@746.785,110.542 VT2.3@746.799,110.555 ; 746.799,127.979 747.649,128.829 793.424,128.829 793.87,128.382 VT1.3@793.87,123.977
Net*5_1: *5.1 VT3.3 VT4.1 | length 73.4
  Top Layer w0.762: v1(739.597,113.894) 764.235,113.894 v1(764.337,113.995) v1@764.438,114.097
  Bottom Layer w0.5: v1(739.597,113.894) 742.097,113.894 742.544,113.447 742.544,112.509 VT3.3@742.531,112.497
  Bottom Layer w0.762: v1(764.337,113.995) 764.337,117.791 764.783,118.237 785.226,118.237 785.673,117.791 785.673,103.113 786.119,102.667 VT4.1@789.686,102.667
Net*6_1: *6.1 *7.2 J4.5 TP17.1 VT6.1 VT7.1 | length 30.6
  Bottom Layer w0.5: 730.428,101.016 743.216,101.016 743.509,101.309 743.509,105.17 745.477,105.17 745.769,105.463 VT6.1@745.769,106.713
  Bottom Layer w0.762: TP17.1@723.621,104.343 723.646,104.318 J4.5@727.38,104.318 727.431,104.369 729.981,104.369 730.428,103.922 730.428,101.016
Net*6_2: *6.2 VT5.3 VT6.3 | length 44.3
  Bottom Layer w0.5: VT6.3@746.747,104.7 746.747,102.554 747.194,102.108 752.41,102.108
  Bottom Layer w0.762: 752.41,102.108 752.41,126.604 752.856,127.051 760.766,127.051 761.212,126.604 761.212,124.123 VT5.3@761.358,123.977
Net*7_1: *7.1 TP21.1 VT7.3 VT8.1 | length 28.4
  Top Layer w0.762: v1(740.435,102.464) 740.435,99.92 740.584,99.771 757.025,99.771 757.174,99.92 VT8.1@757.174,102.667
  Bottom Layer w0.5: v1(740.435,102.464) 742.323,102.464 742.556,102.697 VT7.3@742.556,106.729
Net*8_1: *8.1 *9.1 J15.3 TP25.1 VT10.1 VT11.1 | length 45.4
  Bottom Layer w0.5: VT11.1@743.509,77.572 743.534,77.546 745.553,77.546 745.846,77.839 745.846,85.687 745.782,85.75
  Bottom Layer w0.762: J15.3@727.431,76.403 727.418,76.416 723.659,76.416 TP25.1@723.646,76.429 723.646,85.304 724.092,85.75 745.782,85.75
Net*8_2: *8.2 TP66.1 VT9.3 VT10.3 | length 69
  Bottom Layer w0.5: VT10.3@746.798,77.648 746.798,94.55
  Bottom Layer w0.762: 746.798,94.55 747.295,95.047 793.405,95.047 793.852,94.6 VT9.3@793.852,89.992
Net*9_2: *9.2 TP67.1 VT11.3 VT12.1 | length 74
  Top Layer w0.762: v1(739.216,80.645) v1(763.829,80.645)
  Bottom Layer w0.5: v1(739.216,80.645) 742.229,80.645 742.522,80.352 742.522,79.536 VT11.3@742.556,79.502
  Bottom Layer w0.762: v1(763.829,80.645) 763.829,84.339 764.275,84.785 782.966,84.785 783.412,84.339 783.412,69.179 783.859,68.732 VT12.1@789.508,68.732
Net*10_1: *10.1 *11.2 J15.5 TP38.1 VT14.1 VT15.1 | length 31.2
  Bottom Layer w0.5: 742.966,67.666 743.259,67.958 743.259,71.298 743.433,71.298 745.654,71.298 745.947,71.591 745.947,72.732 745.918,72.761 VT14.1@745.918,73.487
  Bottom Layer w0.762: TP38.1@723.671,71.323 J15.5@727.431,71.323 ; J15.5@727.456,71.349 730.032,71.349 730.479,70.902 730.479,67.666
  Bottom Layer w1: 730.479,67.666 742.966,67.666
Net*10_2: *10.2 TP32.1 VT13.3 VT14.3 | length 45.1
  Bottom Layer w0.5: VT14.3@746.87,71.144 746.87,68.569 747.317,68.123 751.891,68.123
  Bottom Layer w0.762: 751.891,68.123 751.891,92.848 752.337,93.294 760.747,93.294 761.194,92.848 761.194,90.163 VT13.3@761.34,90.018
Net*11_1: *11.1 TP41.1 VT15.3 VT16.1 | length 22.8
  Top Layer w0.762: v1(740.41,69.063) 740.547,69.063 740.928,68.682 VT16.1@757.047,68.682
  Bottom Layer w0.5: v1(740.41,69.063) 742.035,69.063 742.328,69.355 VT15.3@742.328,73.307
Net*12_1: *12.1 *13.2 J21.3 TP47.1 VT18.1 VT19.1 | length 44.6
  Bottom Layer w0.5: 724.067,52.959 745.769,52.959 745.834,52.894 745.834,46.991 745.795,46.951 745.795,45.455 745.348,45.009 VT19.1@743.547,45.009
  Bottom Layer w0.762: 724.067,52.959 723.621,52.513 TP47.1@723.621,43.993 J21.3@727.431,43.993
Net*12_2: *12.2 TP68.1 VT17.3 VT18.3 | length 68.8
  Bottom Layer w0.5: VT18.3@746.785,44.959 746.785,61.733
  Bottom Layer w0.762: 746.785,61.733 747.232,62.179 793.09,62.179 793.877,61.392 VT17.3@793.877,56.972
Net*13_1: *13.1 TP69.1 VT19.3 VT20.1 | length 73.5
  Top Layer w0.762: v1(739.254,48.082) 763.745,48.082 v1(763.829,48.166)
  Bottom Layer w0.5: v1(739.254,48.082) 742.148,48.082 742.594,47.636 VT19.3@742.594,46.939
  Bottom Layer w0.762: v1(763.829,48.166) 763.829,51.362 763.978,51.511 782.458,51.511 782.904,51.065 782.904,36.057 783.351,35.611 VT20.1@789.838,35.611
Net*14_1: *14.1 TP64.1 VT23.3 VT24.1 | length 23.1
  Top Layer w0.762: v1(740.428,36.848) 741.716,35.56 VT24.1@757.072,35.56
  Bottom Layer w0.5: v1@740.41,36.83 v1(740.428,36.848) 742.031,36.848 742.307,37.124 VT23.3@742.307,41.07
Net*14_2: *14.2 *.1 J21.5 TP61.1 VT22.1 VT23.1 | length 30.1
  Bottom Layer w0.5: 730.428,35.458 742.962,35.458 743.255,35.751 743.255,39.035 VT23.1@743.259,39.04 ; VT23.1@743.238,39.061 745.591,39.061 745.884,39.354 VT22.1@745.884,41.046
  Bottom Layer w0.762: TP61.1@724.23,38.913 729.981,38.913 730.428,38.466 730.428,35.458
Net*15_1: *15.1 R19.2 R21.2
Net*16_1: *16.1 R44.2 R50.2
Net*17_1: *17.1 R78.2 R80.2
Net*_2: *.2 TP56.1 VT21.3 VT22.3 | length 44.2
  Bottom Layer w0.5: VT22.3@746.836,39.015 746.836,36.616 747.283,36.17 751.673,36.17
  Bottom Layer w0.762: 751.673,36.17 752.119,36.616 752.119,60.056 752.566,60.503 760.893,60.503 761.34,60.056 VT21.3@761.34,56.947
NetC1_1: C1.1 D1.2 HS1.2 P1.1 | length 18.5
  Bottom Layer w0.762: P1.1@718.103,139.089 718.16,139.146 718.16,140.389 718.308,140.538 724.205,140.538 724.398,140.345 724.398,138.838 724.863,138.373 D1.2@724.863,136.54 ; D1.2@724.863,136.525 D1.2@724.863,136.54 ; HS1.2@731.545,136.728 725.051,136.728 D1.2@724.863,136.54
NetC1_2: C1.2 D1.1 HS1.1 R1.1 | length 14.6
  Bottom Layer w0.762: C1.2@722.996,138.963 722.597,138.564 722.597,136.561 D1.1@722.633,136.525 722.633,135.226 722.781,135.077 724.448,135.077 ; R1.1@724.597,133.553 724.597,134.928 724.448,135.077 ; HS1.1@731.545,135.458 731.52,135.433 725.272,135.433 724.916,135.077 724.448,135.077
NetC2_1: C2.1 R19.1 | length 2.3
  Bottom Layer w0.762: R19.1@861.099,117.373 C2.1@863.373,117.373 C2.1@863.35,117.35
NetC4_1: C4.1 C5.1 IC1.5 J5.3 | length 9.3
  Bottom Layer w0.762: C4.1@768.096,106.767 768.154,106.825 771.06,106.825 J5.3@771.119,106.883 775.899,106.883 776.346,106.437 776.346,105.663 IC1.5@776.402,105.607
NetC4_2: C4.2 IC1.8 J5.5 | length 21.6
  Bottom Layer w0.762: C4.2@768.096,108.168 768.147,108.219 768.147,111.517 768.593,111.963 J5.5@771.119,111.963 779.511,111.963 780.212,111.263 IC1.8@780.212,105.607
NetC5_2: C5.2 IC1.6 | length 7.8
  Bottom Layer w0.762: C5.2@774.446,105.446 774.446,103.443 774.892,102.997 777.225,102.997 777.672,103.443 IC1.6@777.672,105.607
NetC7_1: C7.1 R44.1 | length 2.2
  Bottom Layer w0.762: R44.1@861.222,84.404 C7.1@863.461,84.404
NetC8_1: C8.1 C9.1 IC2.5 J13.3 | length 9
  Bottom Layer w0.762: C8.1@768.401,73.939 J13.3@771.093,73.939 C9.1@774.268,73.939 775.93,73.939 776.376,73.493 IC2.5@776.376,72.664
NetC8_2: C8.2 IC2.8 J13.5 | length 21.1
  Bottom Layer w0.762: C8.2@768.401,75.341 768.401,78.573 768.847,79.019 J13.5@771.093,79.019 779.486,79.019 780.186,78.319 IC2.8@780.186,72.664
NetC9_2: C9.2 IC2.6 | length 7.2
  Bottom Layer w0.762: C9.2@774.268,72.538 774.268,70.881 774.715,70.434 777.2,70.434 777.646,70.881 IC2.6@777.646,72.664
NetC10_1: C10.1 R78.1 | length 2.2
  Bottom Layer w0.5: R78.1@862.431,51.591 C10.1@864.67,51.591
NetC12_1: C12.1 C14.1 IC3.5 J19.3 | length 9.3
  Bottom Layer w0.762: C12.1@768.096,41.427 768.134,41.465 771.03,41.465 J19.3@771.068,41.504 775.905,41.504 776.351,41.057 IC3.5@776.351,40.228
NetC12_2: C12.2 IC3.8 J19.5 | length 21.7
  Bottom Layer w0.762: C12.2@768.096,42.829 768.096,46.283 768.542,46.729 770.922,46.729 J19.5@771.068,46.584 779.461,46.584 780.161,45.883 IC3.8@780.161,40.228
NetC14_2: C14.2 IC3.6 | length 7.6
  Bottom Layer w0.762: C14.2@774.192,40.051 774.192,38.216 774.638,37.77 777.175,37.77 777.621,38.216 IC3.6@777.621,40.228
NetC17_2: C17.2 J11.6 R82.1 R87.1 | length 86.5
  Bottom Layer w0.762: 823.976,71.222 821.654,71.222 821.207,71.668 821.207,90.409 821.654,90.856 830.692,90.856 831.266,91.429 831.266,115.425 831.469,115.628 831.469,116.47 831.915,116.916 839.989,116.916 840.435,117.363 840.435,122.134 840.882,122.58 847.295,122.58 847.741,122.134 R82.1@847.741,118.567 R87.1@846.185,118.567 846.185,120.627 C17.2@846.035,120.777
NetC18_2: C18.2 J11.5 R85.1 R88.1 | length 53.4
  Top Layer w0.762: 823.976,68.682 825.917,68.682 826.364,69.128 v1(826.364,78.791)
  Bottom Layer w0.762: v1(826.364,78.791) 826.364,80.224 825.917,80.67 824.092,80.67 823.646,81.117 823.646,85.736 824.092,86.182 841.868,86.182 842.315,86.629 842.315,89.546 842.761,89.992 845.577,89.992 846.023,89.546 846.023,87.129 846.252,86.9 R88.1@846.252,85.141 R85.1@847.757,85.141